# Altium PCB mb1260.PcbDoc (part 6 of 7)
Units mil, origin at the board's own origin, x right, y up, seen from the top; angles counter-clockwise.
Board outline 3189.01 x 3818.89 mil, 6 copper layers (TOP, L2_GND, L3_VCC, L4_SIG, L5_GND, BOTTOM), stack 62.2 mil thick; 308 components, 287 nets, 1220 pads, 851 vias.
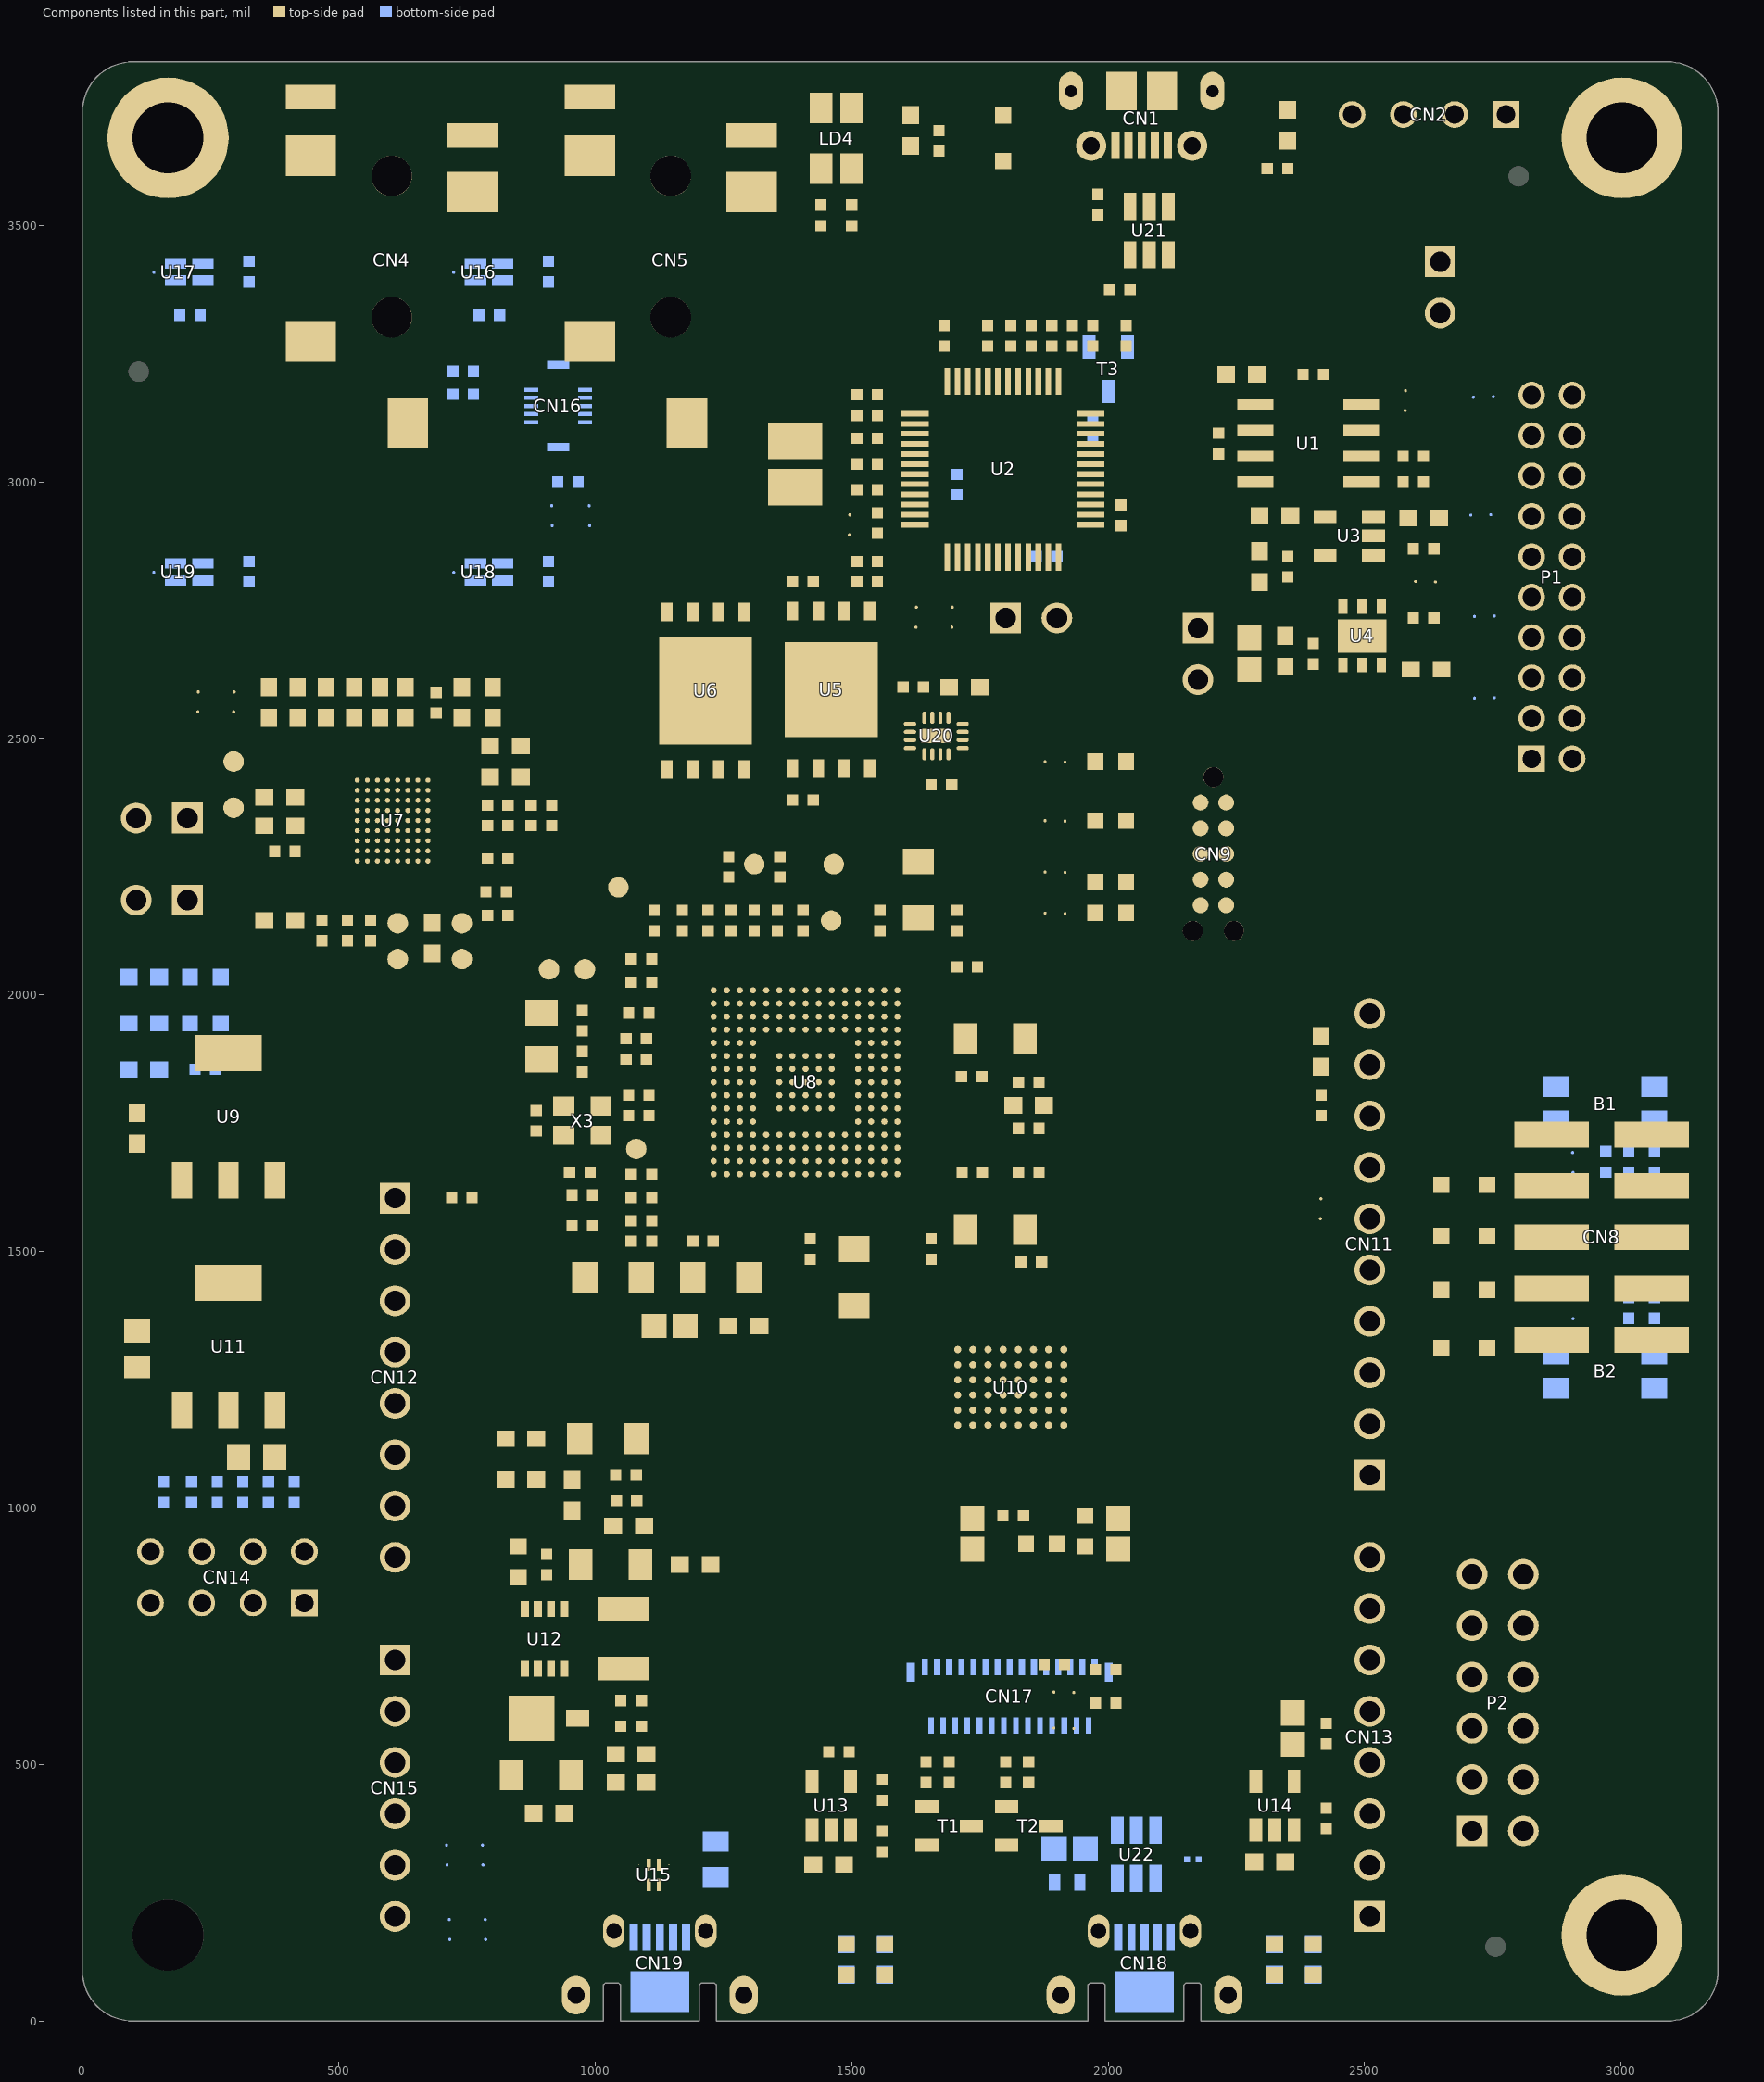
[diagram p10: the components of this part, seen from the top]

## Other copper (continued)
L2_GND (plane layer: these items are gaps in the copper):
  rectangle: -21.66,-14.67 557.59,549.61
  rectangle: 2273.23,973.39 2419.77,1532.61
  pour cut-out: -6000,-8000 -5990,-8000 -5990,-7990 -6000,-7990
  pour cut-out: -6000,-8000 -5990,-8000 -5990,-7990 -6000,-7990
  pour cut-out: -6000,-8000 -5990,-8000 -5990,-7990 -6000,-7990
  pour cut-out: -6000,-8000 -5990,-8000 -5990,-7990 -6000,-7990
  pour cut-out: -6000,-8000 -5990,-8000 -5990,-7990 -6000,-7990
  pour cut-out: -6000,-8000 -5990,-8000 -5990,-7990 -6000,-7990
  pour cut-out: -6000,-8000 -5990,-8000 -5990,-7990 -6000,-7990
  pour cut-out: -6000,-8000 -5990,-8000 -5990,-7990 -6000,-7990
  pour cut-out: -6000,-8000 -5990,-8000 -5990,-7990 -6000,-7990
  pour cut-out: -6000,-8000 -5990,-8000 -5990,-7990 -6000,-7990
  pour cut-out: -6000,-8000 -5990,-8000 -5990,-7990 -6000,-7990
  pour cut-out: -6000,-8000 -5990,-8000 -5990,-7990 -6000,-7990
  pour cut-out: -6000,-8000 -5990,-8000 -5990,-7990 -6000,-7990
  pour cut-out: -6000,-8000 -5990,-8000 -5990,-7990 -6000,-7990
  pour cut-out: -6000,-8000 -5990,-8000 -5990,-7990 -6000,-7990
  pour cut-out: -6000,-8000 -5990,-8000 -5990,-7990 -6000,-7990
  pour cut-out: -6000,-8000 -5990,-8000 -5990,-7990 -6000,-7990
  pour cut-out: -6000,-8000 -5990,-8000 -5990,-7990 -6000,-7990
  pour cut-out: -6000,-8000 -5990,-8000 -5990,-7990 -6000,-7990
  pour cut-out: -6000,-8000 -5990,-8000 -5990,-7990 -6000,-7990
  pour cut-out: -6000,-8000 -5990,-8000 -5990,-7990 -6000,-7990
  pour cut-out: -6000,-8000 -5990,-8000 -5990,-7990 -6000,-7990
  pour cut-out: -6000,-8000 -5990,-8000 -5990,-7990 -6000,-7990
  pour cut-out: -6000,-8000 -5990,-8000 -5990,-7990 -6000,-7990
  pour cut-out: -6000,-8000 -5990,-8000 -5990,-7990 -6000,-7990
  pour cut-out: -6000,-8000 -5990,-8000 -5990,-7990 -6000,-7990
  pour cut-out: -6000,-8000 -5990,-8000 -5990,-7990 -6000,-7990
  pour cut-out: -6000,-8000 -5990,-8000 -5990,-7990 -6000,-7990
  pour cut-out: -6000,-8000 -5990,-8000 -5990,-7990 -6000,-7990
  pour cut-out: -6000,-8000 -5990,-8000 -5990,-7990 -6000,-7990
  pour cut-out: -6000,-8000 -5990,-8000 -5990,-7990 -6000,-7990
  pour cut-out: -6000,-8000 -5990,-8000 -5990,-7990 -6000,-7990
  pour cut-out: -6000,-8000 -5990,-8000 -5990,-7990 -6000,-7990
  pour cut-out: -6000,-8000 -5990,-8000 -5990,-7990 -6000,-7990
  pour cut-out: -6000,-8000 -5990,-8000 -5990,-7990 -6000,-7990
  pour cut-out: -6000,-8000 -5990,-8000 -5990,-7990 -6000,-7990
  pour cut-out: -6000,-8000 -5990,-8000 -5990,-7990 -6000,-7990
  pour cut-out: -6000,-8000 -5990,-8000 -5990,-7990 -6000,-7990
  pour cut-out: -6000,-8000 -5990,-8000 -5990,-7990 -6000,-7990
  pour cut-out: -6000,-8000 -5990,-8000 -5990,-7990 -6000,-7990
  pour cut-out: -6000,-8000 -5990,-8000 -5990,-7990 -6000,-7990
  pour cut-out: -6000,-8000 -5990,-8000 -5990,-7990 -6000,-7990
  pour cut-out: -6000,-8000 -5990,-8000 -5990,-7990 -6000,-7990
  pour cut-out: -6000,-8000 -5990,-8000 -5990,-7990 -6000,-7990
  pour cut-out: -6000,-8000 -5990,-8000 -5990,-7990 -6000,-7990
  pour cut-out: -6000,-8000 -5990,-8000 -5990,-7990 -6000,-7990
  pour cut-out: -6000,-8000 -5990,-8000 -5990,-7990 -6000,-7990
  pour cut-out: -6000,-8000 -5990,-8000 -5990,-7990 -6000,-7990
  pour cut-out: -6000,-8000 -5990,-8000 -5990,-7990 -6000,-7990
  pour cut-out: -6000,-8000 -5990,-8000 -5990,-7990 -6000,-7990
  pour cut-out: -6000,-8000 -5990,-8000 -5990,-7990 -6000,-7990
  pour cut-out: -6000,-8000 -5990,-8000 -5990,-7990 -6000,-7990
  pour cut-out: -6000,-8000 -5990,-8000 -5990,-7990 -6000,-7990
  pour cut-out: -6000,-8000 -5990,-8000 -5990,-7990 -6000,-7990
  pour cut-out: -6000,-8000 -5990,-8000 -5990,-7990 -6000,-7990
  pour cut-out: -6000,-8000 -5990,-8000 -5990,-7990 -6000,-7990
  pour cut-out: -6000,-8000 -5990,-8000 -5990,-7990 -6000,-7990
  pour cut-out: -6000,-8000 -5990,-8000 -5990,-7990 -6000,-7990
  pour cut-out: -6000,-8000 -5990,-8000 -5990,-7990 -6000,-7990
  pour cut-out: -6000,-8000 -5990,-8000 -5990,-7990 -6000,-7990
  pour cut-out: -6000,-8000 -5990,-8000 -5990,-7990 -6000,-7990
  pour cut-out: -6000,-8000 -5990,-8000 -5990,-7990 -6000,-7990
  pour cut-out: -6000,-8000 -5990,-8000 -5990,-7990 -6000,-7990
  pour cut-out: -6000,-8000 -5990,-8000 -5990,-7990 -6000,-7990
  pour cut-out: -6000,-8000 -5990,-8000 -5990,-7990 -6000,-7990
  pour cut-out: -6000,-8000 -5990,-8000 -5990,-7990 -6000,-7990
  pour cut-out: -6000,-8000 -5990,-8000 -5990,-7990 -6000,-7990
  pour cut-out: -6000,-8000 -5990,-8000 -5990,-7990 -6000,-7990
  pour cut-out: -6000,-8000 -5990,-8000 -5990,-7990 -6000,-7990
  pour cut-out: -6000,-8000 -5990,-8000 -5990,-7990 -6000,-7990
  pour cut-out: 2240.77,2425 2239.55,2434.26 2235.98,2442.88 2230.29,2450.29 2222.88,2455.98 2214.26,2459.55 2205,2460.77 2195.74,2459.55 2187.12,2455.98 2179.71,2450.29 2174.02,2442.88 2170.45,2434.26 2169.23,2425 2170.45,2415.74 2174.02,2407.12 2179.71,2399.71 2187.12,2394.02 2195.74,2390.45 2205,2389.23 2214.26,2390.45 2222.88,2394.02 2230.29,2399.71 2235.98,2407.12 2239.55,2415.74 2240.77,2425
  pour cut-out: 2280.73,2125 2279.51,2134.26 2275.94,2142.88 2270.25,2150.29 2262.84,2155.97 2254.22,2159.55 2244.96,2160.77 2235.7,2159.55 2227.08,2155.97 2219.67,2150.29 2213.99,2142.88 2210.41,2134.26 2209.19,2125 2210.41,2115.74 2213.99,2107.12 2219.67,2099.71 2227.08,2094.03 2235.7,2090.45 2244.96,2089.23 2254.22,2090.45 2262.84,2094.03 2270.25,2099.71 2275.94,2107.12 2279.51,2115.74 2280.73,2125
  pour cut-out: 2200.81,2125 2199.59,2134.26 2196.01,2142.88 2190.33,2150.29 2182.92,2155.98 2174.3,2159.55 2165.04,2160.77 2155.78,2159.55 2147.16,2155.98 2139.75,2150.29 2134.06,2142.88 2130.49,2134.26 2129.27,2125 2130.49,2115.74 2134.06,2107.12 2139.75,2099.71 2147.16,2094.02 2155.78,2090.45 2165.04,2089.23 2174.3,2090.45 2182.92,2094.02 2190.33,2099.71 2196.01,2107.12 2199.59,2115.74 2200.81,2125
  pour cut-out: 1201.99,3596.61 1200.12,3610.8 1194.64,3624.02 1185.93,3635.38 1174.57,3644.09 1161.35,3649.57 1147.16,3651.44 1132.97,3649.57 1119.75,3644.09 1108.39,3635.38 1099.68,3624.02 1094.2,3610.8 1092.33,3596.61 1094.2,3582.42 1099.68,3569.2 1108.39,3557.84 1119.75,3549.13 1132.97,3543.65 1147.16,3541.78 1161.35,3543.65 1174.57,3549.13 1185.93,3557.84 1194.64,3569.2 1200.12,3582.42 1201.99,3596.61
  pour cut-out: 657.98,3596.61 656.11,3610.8 650.64,3624.03 641.92,3635.38 630.57,3644.1 617.34,3649.57 603.15,3651.44 588.96,3649.57 575.73,3644.1 564.38,3635.38 555.66,3624.03 550.19,3610.8 548.32,3596.61 550.19,3582.42 555.66,3569.19 564.38,3557.84 575.73,3549.12 588.96,3543.65 603.15,3541.78 617.34,3543.65 630.57,3549.12 641.92,3557.84 650.64,3569.19 656.11,3582.42 657.98,3596.61
  pour cut-out: 657.98,3321.02 656.11,3335.21 650.64,3348.43 641.92,3359.79 630.57,3368.5 617.34,3373.98 603.15,3375.85 588.96,3373.98 575.73,3368.5 564.38,3359.79 555.66,3348.43 550.19,3335.21 548.32,3321.02 550.19,3306.83 555.66,3293.6 564.38,3282.25 575.73,3273.53 588.96,3268.06 603.15,3266.19 617.34,3268.06 630.57,3273.53 641.92,3282.25 650.64,3293.6 656.11,3306.83 657.98,3321.02
  pour cut-out: -6000,-8000 -5990,-8000 -5990,-7990 -6000,-7990
  pour cut-out: -6000,-8000 -5990,-8000 -5990,-7990 -6000,-7990
  pour cut-out: -6000,-8000 -5990,-8000 -5990,-7990 -6000,-7990
  pour cut-out: -6000,-8000 -5990,-8000 -5990,-7990 -6000,-7990
  pour cut-out: -6000,-8000 -5990,-8000 -5990,-7990 -6000,-7990
  pour cut-out: -6000,-8000 -5990,-8000 -5990,-7990 -6000,-7990
  pour cut-out: -6000,-8000 -5990,-8000 -5990,-7990 -6000,-7990
  pour cut-out: -6000,-8000 -5990,-8000 -5990,-7990 -6000,-7990
  pour cut-out: -6000,-8000 -5990,-8000 -5990,-7990 -6000,-7990
  pour cut-out: -6000,-8000 -5990,-8000 -5990,-7990 -6000,-7990
  pour cut-out: -6000,-8000 -5990,-8000 -5990,-7990 -6000,-7990
  pour cut-out: -6000,-8000 -5990,-8000 -5990,-7990 -6000,-7990
  pour cut-out: -6000,-8000 -5990,-8000 -5990,-7990 -6000,-7990
  pour cut-out: -6000,-8000 -5990,-8000 -5990,-7990 -6000,-7990
  pour cut-out: 1201.99,3321.02 1200.12,3335.21 1194.64,3348.43 1185.93,3359.79 1174.57,3368.5 1161.35,3373.98 1147.16,3375.85 1132.97,3373.98 1119.75,3368.5 1108.39,3359.79 1099.68,3348.43 1094.2,3335.21 1092.33,3321.02 1094.2,3306.83 1099.68,3293.6 1108.39,3282.25 1119.75,3273.54 1132.97,3268.06 1147.16,3266.19 1161.35,3268.06 1174.57,3273.54 1185.93,3282.25 1194.64,3293.6 1200.12,3306.83 1201.99,3321.02
  pour cut-out: -6000,-8000 -5990,-8000 -5990,-7990 -6000,-7990
  pour cut-out: -6000,-8000 -5990,-8000 -5990,-7990 -6000,-7990
  pour cut-out: -6000,-8000 -5990,-8000 -5990,-7990 -6000,-7990
  pour cut-out: -6000,-8000 -5990,-8000 -5990,-7990 -6000,-7990
  pour cut-out: -6000,-8000 -5990,-8000 -5990,-7990 -6000,-7990
  pour cut-out: -6000,-8000 -5990,-8000 -5990,-7990 -6000,-7990
  pour cut-out: -6000,-8000 -5990,-8000 -5990,-7990 -6000,-7990
  pour cut-out: -6000,-8000 -5990,-8000 -5990,-7990 -6000,-7990
  pour cut-out: -6000,-8000 -5990,-8000 -5990,-7990 -6000,-7990
  pour cut-out: -6000,-8000 -5990,-8000 -5990,-7990 -6000,-7990
  pour cut-out: -6000,-8000 -5990,-8000 -5990,-7990 -6000,-7990
  pour cut-out: -6000,-8000 -5990,-8000 -5990,-7990 -6000,-7990
  pour cut-out: -6000,-8000 -5990,-8000 -5990,-7990 -6000,-7990
  pour cut-out: -6000,-8000 -5990,-8000 -5990,-7990 -6000,-7990
  pour cut-out: -6000,-8000 -5990,-8000 -5990,-7990 -6000,-7990
  pour cut-out: -6000,-8000 -5990,-8000 -5990,-7990 -6000,-7990
  pour cut-out: -6000,-8000 -5990,-8000 -5990,-7990 -6000,-7990
  pour cut-out: -6000,-8000 -5990,-8000 -5990,-7990 -6000,-7990
  pour cut-out: -6000,-8000 -5990,-8000 -5990,-7990 -6000,-7990
  pour cut-out: -6000,-8000 -5990,-8000 -5990,-7990 -6000,-7990
  pour cut-out: -6000,-8000 -5990,-8000 -5990,-7990 -6000,-7990
  pour cut-out: -6000,-8000 -5990,-8000 -5990,-7990 -6000,-7990
  pour cut-out: -6000,-8000 -5990,-8000 -5990,-7990 -6000,-7990
  pour cut-out: -6000,-8000 -5990,-8000 -5990,-7990 -6000,-7990
  pour cut-out: -6000,-8000 -5990,-8000 -5990,-7990 -6000,-7990
  pour cut-out: -6000,-8000 -5990,-8000 -5990,-7990 -6000,-7990
  pour cut-out: -6000,-8000 -5990,-8000 -5990,-7990 -6000,-7990
  pour cut-out: -6000,-8000 -5990,-8000 -5990,-7990 -6000,-7990
  pour cut-out: -6000,-8000 -5990,-8000 -5990,-7990 -6000,-7990
  pour cut-out: -6000,-8000 -5990,-8000 -5990,-7990 -6000,-7990
  pour cut-out: -6000,-8000 -5990,-8000 -5990,-7990 -6000,-7990
  pour cut-out: -6000,-8000 -5990,-8000 -5990,-7990 -6000,-7990
  pour cut-out: -6000,-8000 -5990,-8000 -5990,-7990 -6000,-7990
  pour cut-out: -6000,-8000 -5990,-8000 -5990,-7990 -6000,-7990
  pour cut-out: -6000,-8000 -5990,-8000 -5990,-7990 -6000,-7990
  pour cut-out: -6000,-8000 -5990,-8000 -5990,-7990 -6000,-7990
  pour cut-out: -6000,-8000 -5990,-8000 -5990,-7990 -6000,-7990
  pour cut-out: -6000,-8000 -5990,-8000 -5990,-7990 -6000,-7990
  pour cut-out: -6000,-8000 -5990,-8000 -5990,-7990 -6000,-7990
  pour cut-out: -6000,-8000 -5990,-8000 -5990,-7990 -6000,-7990
  pour cut-out: -6000,-8000 -5990,-8000 -5990,-7990 -6000,-7990
  pour cut-out: -6000,-8000 -5990,-8000 -5990,-7990 -6000,-7990
  region: 833,1806 808,1831 808,2007 831,2030 947,2030 962,2015 990,2015 1020,1985 1020,1965 1030,1955 1116,1955 1116.5,1954.5 1121.5,1954.5 1133,1943 1163,1943 1164,1942 1164,1938 1163,1937 1130,1937 1122,1945 1020,1945 1004,1961 1004,1984 989,1999 953,1999 937,2015 840,2015 825,2000 825,1840 840,1825 1020,1825 1030,1835 1116,1835 1143,1862 1159,1862 1160,1861 1160,1855 1158,1853 1147,1853 1111,1817 1039,1817 1028,1806
  lines w10: 784.59,429.14 784.59,925.86 ; 784.59,429.14 784.59,429.14 ; 784.59,429.14 785.71,426.44 786.17,425.32 ; 784.59,925.86 786.17,929.68 859.59,1003.1 859.59,1155.86 ; 784.59,925.86 784.59,925.86 ; 786.17,425.32 786.17,425.32 ; 786.17,425.32 855.32,356.17 859.14,354.59 ; 859.14,354.59 859.14,354.59 ; 859.14,354.59 1030.86,354.59 1034.68,356.17 1063.83,385.32 1065.41,389.14 ; 859.59,1155.86 861.17,1159.68 875.32,1173.83 879.14,1175.41 1115.86,1175.41 ; 859.59,1155.86 859.59,1155.86 ; 1065.41,389.14 1065.41,389.14 ; 1065.41,389.14 1065.41,586.9 1083.1,604.59 1165.86,604.59 ; 1115.86,1175.41 1119.68,1173.83 1188.83,1104.68 ; 1115.86,1175.41 1115.86,1175.41 ; 1165.86,604.59 1165.86,604.59 ; 1165.86,604.59 1168.56,605.71 1169.68,606.17 ; 1169.68,606.17 1169.69,606.17 ; 1169.69,606.17 1188.83,625.32 1190.41,629.14 ; 1188.83,1104.68 1189.29,1103.56 1190.41,1100.86 ; 1188.83,1104.68 1188.83,1104.68 ; 1190.41,629.14 1190.41,629.14 ; 1190.41,629.14 1190.41,1100.86 ; 1190.41,1100.86 1190.41,1100.86 ; 14.63,555.02 14.63,3720.07 14.68,3720.19 14.63,3720.31 14.93,3727.17 15.04,3727.4 14.97,3727.64 15.87,3734.46 16,3734.67 15.95,3734.92 17.44,3741.63 17.58,3741.84 17.56,3742.09 19.63,3748.64 19.79,3748.84 19.79,3749.09 22.42,3755.44 22.6,3755.61 22.62,3755.86 25.79,3761.96 25.99,3762.12 26.03,3762.37 29.72,3768.17 29.93,3768.31 29.99,3768.55 34.18,3774 34.39,3774.13 34.48,3774.37 39.12,3779.43 39.35,3779.54 39.46,3779.77 44.52,3784.41 44.76,3784.5 44.89,3784.71 50.34,3788.9 50.58,3788.96 50.73,3789.17 56.52,3792.86 56.77,3792.9 56.93,3793.1 63.03,3796.27 63.28,3796.29 63.45,3796.47 69.8,3799.1 70.06,3799.1 70.25,3799.26 76.8,3801.33 77.05,3801.31 77.26,3801.45 83.97,3802.94 84.22,3802.89 84.43,3803.02 91.25,3803.92 91.49,3803.85 91.72,3803.96 98.58,3804.26 98.7,3804.21 98.82,3804.26 3090.19,3804.26 3090.31,3804.21 3090.43,3804.26 3097.29,3803.96 3097.52,3803.85 3097.76,3803.92 3104.58,3803.02 3104.79,3802.89 3105.04,3802.94 3111.75,3801.45 3111.96,3801.31 3112.21,3801.33 3118.76,3799.26 3118.95,3799.1 3119.2,3799.1 3125.55,3796.47 3125.73,3796.29 3125.98,3796.27 3132.08,3793.1 3132.24,3792.9 3132.49,3792.86 3138.28,3789.17 3138.43,3788.96 3138.67,3788.9 3144.12,3784.71 3144.25,3784.5 3144.48,3784.41 3149.55,3779.77 3149.66,3779.54 3149.89,3779.43 3154.53,3774.37 3154.61,3774.13 3154.83,3774 3159.02,3768.55 3159.08,3768.31 3159.29,3768.16 3162.98,3762.37 3163.02,3762.12 3163.22,3761.96 3166.39,3755.86 3166.41,3755.61 3166.59,3755.43 3169.22,3749.09 3169.22,3748.83 3169.38,3748.64 3171.45,3742.09 3171.42,3741.84 3171.57,3741.63 3173.06,3734.92 3173.01,3734.67 3173.14,3734.46 3174.03,3727.64 3173.97,3727.4 3174.08,3727.17 3174.38,3720.31 3174.33,3720.19 3174.38,3720.07 3174.38,98.82 3174.33,98.7 3174.38,98.58 3174.08,91.72 3173.97,91.49 3174.03,91.25 3173.14,84.43 3173.01,84.22 3173.06,83.97 3171.57,77.26 3171.42,77.05 3171.45,76.8 3169.38,70.25 3169.22,70.05 3169.22,69.8 3166.59,63.45 3166.41,63.28 3166.39,63.03 3163.22,56.93 3163.02,56.77 3162.98,56.52 3159.29,50.72 3159.08,50.58 3159.02,50.34 3154.83,44.89 3154.61,44.76 3154.53,44.52 3149.89,39.46 3149.66,39.35 3149.55,39.12 3144.48,34.48 3144.25,34.39 3144.12,34.18 3138.67,29.99 3138.43,29.93 3138.28,29.72 3132.49,26.03 3132.24,25.99 3132.08,25.79 3125.98,22.62 3125.73,22.6 3125.55,22.42 3119.2,19.79 3118.95,19.79 3118.76,19.63 3112.21,17.56 3111.96,17.58 3111.75,17.44 3105.04,15.95 3104.79,16 3104.58,15.87 3097.76,14.97 3097.52,15.04 3097.29,14.93 3090.43,14.63 3090.31,14.68 3090.19,14.63 2201.15,14.63 2197.32,16.21 2195.74,20.04 2195.74,76.34 2183.23,88.85 2145.52,88.85 2133.01,76.34 2133.01,20.04 2131.42,16.21 2127.6,14.63 2014.14,14.63 2010.32,16.21 2008.73,20.04 2008.73,76.34 1996.22,88.85 1958.51,88.85 1946,76.34 1946,20.04 1944.42,16.21 1940.59,14.63 1256.26,14.63 1252.43,16.21 1250.85,20.04 1250.85,76.34 1238.34,88.85 1200.63,88.85 1188.12,76.34 1188.12,20.04 1186.54,16.21 1182.71,14.63 1069.25,14.63 1065.43,16.21 1063.84,20.04 1063.84,76.34 1051.33,88.85 1013.62,88.85 1001.11,76.34 1001.11,20.04 999.53,16.21 995.7,14.63 563,14.63 559.17,16.21 557.59,20.04 557.59,549.61 20.04,549.61 16.21,551.19 14.63,555.02
  lines w20: 780,425 780,930 855,1005 855,1160 875,1180 1120,1180 1195,1105 1195,625 1170,600 1085,600 1070,585 1070,385 1035,350 855,350 780,425
L3_VCC (plane layer: these items are gaps in the copper):
  drawing of 1374 lines, arcs and shapes, not listed
L5_GND (plane layer: these items are gaps in the copper):
  rectangle: 2273.23,973.39 2419.77,1532.61
  rectangle: -22.66,-22.67 552.49,544.51
  pour cut-out: -6000,-8000 -5990,-8000 -5990,-7990 -6000,-7990
  pour cut-out: -6000,-8000 -5990,-8000 -5990,-7990 -6000,-7990
  pour cut-out: -6000,-8000 -5990,-8000 -5990,-7990 -6000,-7990
  pour cut-out: -6000,-8000 -5990,-8000 -5990,-7990 -6000,-7990
  pour cut-out: -6000,-8000 -5990,-8000 -5990,-7990 -6000,-7990
  pour cut-out: -6000,-8000 -5990,-8000 -5990,-7990 -6000,-7990
  pour cut-out: -6000,-8000 -5990,-8000 -5990,-7990 -6000,-7990
  pour cut-out: -6000,-8000 -5990,-8000 -5990,-7990 -6000,-7990
  pour cut-out: -6000,-8000 -5990,-8000 -5990,-7990 -6000,-7990
  pour cut-out: -6000,-8000 -5990,-8000 -5990,-7990 -6000,-7990
  pour cut-out: -6000,-8000 -5990,-8000 -5990,-7990 -6000,-7990
  pour cut-out: -6000,-8000 -5990,-8000 -5990,-7990 -6000,-7990
  pour cut-out: -6000,-8000 -5990,-8000 -5990,-7990 -6000,-7990
  pour cut-out: -6000,-8000 -5990,-8000 -5990,-7990 -6000,-7990
  pour cut-out: 2240.77,2425 2239.55,2434.26 2235.98,2442.88 2230.29,2450.29 2222.88,2455.98 2214.26,2459.55 2205,2460.77 2195.74,2459.55 2187.12,2455.98 2179.71,2450.29 2174.02,2442.88 2170.45,2434.26 2169.23,2425 2170.45,2415.74 2174.02,2407.12 2179.71,2399.71 2187.12,2394.02 2195.74,2390.45 2205,2389.23 2214.26,2390.45 2222.88,2394.02 2230.29,2399.71 2235.98,2407.12 2239.55,2415.74 2240.77,2425
  pour cut-out: 2280.73,2125 2279.51,2134.26 2275.94,2142.88 2270.25,2150.29 2262.84,2155.97 2254.22,2159.55 2244.96,2160.77 2235.7,2159.55 2227.08,2155.97 2219.67,2150.29 2213.99,2142.88 2210.41,2134.26 2209.19,2125 2210.41,2115.74 2213.99,2107.12 2219.67,2099.71 2227.08,2094.03 2235.7,2090.45 2244.96,2089.23 2254.22,2090.45 2262.84,2094.03 2270.25,2099.71 2275.94,2107.12 2279.51,2115.74 2280.73,2125
  pour cut-out: 2200.81,2125 2199.59,2134.26 2196.01,2142.88 2190.33,2150.29 2182.92,2155.98 2174.3,2159.55 2165.04,2160.77 2155.78,2159.55 2147.16,2155.98 2139.75,2150.29 2134.06,2142.88 2130.49,2134.26 2129.27,2125 2130.49,2115.74 2134.06,2107.12 2139.75,2099.71 2147.16,2094.02 2155.78,2090.45 2165.04,2089.23 2174.3,2090.45 2182.92,2094.02 2190.33,2099.71 2196.01,2107.12 2199.59,2115.74 2200.81,2125
  pour cut-out: 1201.99,3596.61 1200.12,3610.8 1194.64,3624.02 1185.93,3635.38 1174.57,3644.09 1161.35,3649.57 1147.16,3651.44 1132.97,3649.57 1119.75,3644.09 1108.39,3635.38 1099.68,3624.02 1094.2,3610.8 1092.33,3596.61 1094.2,3582.42 1099.68,3569.2 1108.39,3557.84 1119.75,3549.13 1132.97,3543.65 1147.16,3541.78 1161.35,3543.65 1174.57,3549.13 1185.93,3557.84 1194.64,3569.2 1200.12,3582.42 1201.99,3596.61
  pour cut-out: 657.98,3596.61 656.11,3610.8 650.64,3624.03 641.92,3635.38 630.57,3644.1 617.34,3649.57 603.15,3651.44 588.96,3649.57 575.73,3644.1 564.38,3635.38 555.66,3624.03 550.19,3610.8 548.32,3596.61 550.19,3582.42 555.66,3569.19 564.38,3557.84 575.73,3549.12 588.96,3543.65 603.15,3541.78 617.34,3543.65 630.57,3549.12 641.92,3557.84 650.64,3569.19 656.11,3582.42 657.98,3596.61
  pour cut-out: 657.98,3321.02 656.11,3335.21 650.64,3348.43 641.92,3359.79 630.57,3368.5 617.34,3373.98 603.15,3375.85 588.96,3373.98 575.73,3368.5 564.38,3359.79 555.66,3348.43 550.19,3335.21 548.32,3321.02 550.19,3306.83 555.66,3293.6 564.38,3282.25 575.73,3273.53 588.96,3268.06 603.15,3266.19 617.34,3268.06 630.57,3273.53 641.92,3282.25 650.64,3293.6 656.11,3306.83 657.98,3321.02
  pour cut-out: 1201.99,3321.02 1200.12,3335.21 1194.64,3348.43 1185.93,3359.79 1174.57,3368.5 1161.35,3373.98 1147.16,3375.85 1132.97,3373.98 1119.75,3368.5 1108.39,3359.79 1099.68,3348.43 1094.2,3335.21 1092.33,3321.02 1094.2,3306.83 1099.68,3293.6 1108.39,3282.25 1119.75,3273.54 1132.97,3268.06 1147.16,3266.19 1161.35,3268.06 1174.57,3273.54 1185.93,3282.25 1194.64,3293.6 1200.12,3306.83 1201.99,3321.02
  lines w10: 14.63,555.02 14.63,3720.07 14.68,3720.19 14.63,3720.31 14.93,3727.17 15.04,3727.4 14.97,3727.64 15.87,3734.46 16,3734.67 15.95,3734.92 17.44,3741.63 17.58,3741.84 17.56,3742.09 19.63,3748.64 19.79,3748.84 19.79,3749.09 22.42,3755.44 22.6,3755.61 22.62,3755.86 25.79,3761.96 25.99,3762.12 26.03,3762.37 29.72,3768.17 29.93,3768.31 29.99,3768.55 34.18,3774 34.39,3774.13 34.48,3774.37 39.12,3779.43 39.35,3779.54 39.46,3779.77 44.52,3784.41 44.76,3784.5 44.89,3784.71 50.34,3788.9 50.58,3788.96 50.73,3789.17 56.52,3792.86 56.77,3792.9 56.93,3793.1 63.03,3796.27 63.28,3796.29 63.45,3796.47 69.8,3799.1 70.06,3799.1 70.25,3799.26 76.8,3801.33 77.05,3801.31 77.26,3801.45 83.97,3802.94 84.22,3802.89 84.43,3803.02 91.25,3803.92 91.49,3803.85 91.72,3803.96 98.58,3804.26 98.7,3804.21 98.82,3804.26 3090.19,3804.26 3090.31,3804.21 3090.43,3804.26 3097.29,3803.96 3097.52,3803.85 3097.76,3803.92 3104.58,3803.02 3104.79,3802.89 3105.04,3802.94 3111.75,3801.45 3111.96,3801.31 3112.21,3801.33 3118.76,3799.26 3118.95,3799.1 3119.2,3799.1 3125.55,3796.47 3125.73,3796.29 3125.98,3796.27 3132.08,3793.1 3132.24,3792.9 3132.49,3792.86 3138.28,3789.17 3138.43,3788.96 3138.67,3788.9 3144.12,3784.71 3144.25,3784.5 3144.48,3784.41 3149.55,3779.77 3149.66,3779.54 3149.89,3779.43 3154.53,3774.37 3154.61,3774.13 3154.83,3774 3159.02,3768.55 3159.08,3768.31 3159.29,3768.16 3162.98,3762.37 3163.02,3762.12 3163.22,3761.96 3166.39,3755.86 3166.41,3755.61 3166.59,3755.43 3169.22,3749.09 3169.22,3748.83 3169.38,3748.64 3171.45,3742.09 3171.42,3741.84 3171.57,3741.63 3173.06,3734.92 3173.01,3734.67 3173.14,3734.46 3174.03,3727.64 3173.97,3727.4 3174.08,3727.17 3174.38,3720.31 3174.33,3720.19 3174.38,3720.07 3174.38,98.82 3174.33,98.7 3174.38,98.58 3174.08,91.72 3173.97,91.49 3174.03,91.25 3173.14,84.43 3173.01,84.22 3173.06,83.97 3171.57,77.26 3171.42,77.05 3171.45,76.8 3169.38,70.25 3169.22,70.05 3169.22,69.8 3166.59,63.45 3166.41,63.28 3166.39,63.03 3163.22,56.93 3163.02,56.77 3162.98,56.52 3159.29,50.72 3159.08,50.58 3159.02,50.34 3154.83,44.89 3154.61,44.76 3154.53,44.52 3149.89,39.46 3149.66,39.35 3149.55,39.12 3144.48,34.48 3144.25,34.39 3144.12,34.18 3138.67,29.99 3138.43,29.93 3138.28,29.72 3132.49,26.03 3132.24,25.99 3132.08,25.79 3125.98,22.62 3125.73,22.6 3125.55,22.42 3119.2,19.79 3118.95,19.79 3118.76,19.63 3112.21,17.56 3111.96,17.58 3111.75,17.44 3105.04,15.95 3104.79,16 3104.58,15.87 3097.76,14.97 3097.52,15.04 3097.29,14.93 3090.43,14.63 3090.31,14.68 3090.19,14.63 2201.15,14.63 2197.32,16.21 2195.74,20.04 2195.74,76.34 2183.23,88.85 2145.52,88.85 2133.01,76.34 2133.01,20.04 2131.42,16.21 2127.6,14.63 2014.14,14.63 2010.32,16.21 2008.73,20.04 2008.73,76.34 1996.22,88.85 1958.51,88.85 1946,76.34 1946,20.04 1944.42,16.21 1940.59,14.63 1256.26,14.63 1252.43,16.21 1250.85,20.04 1250.85,76.34 1238.34,88.85 1200.63,88.85 1188.12,76.34 1188.12,20.04 1186.54,16.21 1182.71,14.63 1069.25,14.63 1065.43,16.21 1063.84,20.04 1063.84,76.34 1051.33,88.85 1013.62,88.85 1001.11,76.34 1001.11,20.04 999.53,16.21 995.7,14.63 563,14.63 559.17,16.21 557.59,20.04 557.59,549.61 20.04,549.61 16.21,551.19 14.63,555.02

## Text inside footprints (layer, text, board x,y; h text height)
L7: LIB_UNEVALUATED "1" at 1093.6,520 h16 r180; LIB_UNEVALUATED "2" at 1033.6,520 h16 r180; LIB_UNEVALUATED "Approved" at 943,531.67 h35 r180; LIB_UNEVALUATED "L0603" at 1015,590 h30 r180; LIB_UNEVALUATED "Sofer Lib Information" at 1241,258 h25 r180; LIB_UNEVALUATED "Ref PN: ***" at 1211,308 h25 r180; LIB_UNEVALUATED "Creat : Sofer Tech" at 1211,348 h25 r180; LIB_UNEVALUATED "Date  : 2007-11-27" at 1211,388 h25 r180; LIB_UNEVALUATED "Rev   : B1" at 1211,428 h25 r180; LIB_UNEVALUATED "Remark: ***" at 1211,468 h25 r180
L8: LIB_UNEVALUATED "1" at 1046.4,465 h16; LIB_UNEVALUATED "2" at 1106.4,465 h16; LIB_UNEVALUATED "Approved" at 1197,453.33 h35; LIB_UNEVALUATED "L0603" at 1125,395 h30; LIB_UNEVALUATED "Sofer Lib Information" at 899,727 h25; LIB_UNEVALUATED "Ref PN: ***" at 929,677 h25; LIB_UNEVALUATED "Creat : Sofer Tech" at 929,637 h25; LIB_UNEVALUATED "Date  : 2007-11-27" at 929,597 h25; LIB_UNEVALUATED "Rev   : B1" at 929,557 h25; LIB_UNEVALUATED "Remark: ***" at 929,517 h25
LD1: LIB_UNEVALUATED "1" at 150,1861.4 h16; LIB_UNEVALUATED "2" at 90,1861.4 h16; LIB_UNEVALUATED "d0603" at 120,1850 h30; LIB_UNEVALUATED "Approved" at 120,1967 h35; LIB_UNEVALUATED "Sofer Lib Information" at 246,2132 h25; LIB_UNEVALUATED "Ref PN: ***" at 216,2082 h25; LIB_UNEVALUATED "Creat : Sofer Tech" at 216,2042 h25; LIB_UNEVALUATED "Date  : 2007-05-10" at 216,2002 h25; LIB_UNEVALUATED "Rev   : B1" at 216,1962 h25; ASSEMBLY_TOP "LED red" at 120,1901 h20
LD2: LIB_UNEVALUATED "1" at 1608.6,3655 h16 r90; LIB_UNEVALUATED "2" at 1608.6,3715 h16 r90; LIB_UNEVALUATED "d0603" at 1620,3685 h30 r90; LIB_UNEVALUATED "Approved" at 1503,3685 h35 r90; LIB_UNEVALUATED "Sofer Lib Information" at 1338,3559 h25 r90; LIB_UNEVALUATED "Ref PN: ***" at 1388,3589 h25 r90; LIB_UNEVALUATED "Creat : Sofer Tech" at 1428,3589 h25 r90; LIB_UNEVALUATED "Date  : 2007-05-10" at 1468,3589 h25 r90; LIB_UNEVALUATED "Rev   : B1" at 1508,3589 h25 r90
LD3: LIB_UNEVALUATED "1" at 2343.6,3665.59 h16 r90; LIB_UNEVALUATED "2" at 2343.6,3725.59 h16 r90; LIB_UNEVALUATED "d0603" at 2355,3695.59 h30 r90; LIB_UNEVALUATED "Approved" at 2238,3695.59 h35 r90; LIB_UNEVALUATED "Sofer Lib Information" at 2073,3569.59 h25 r90; LIB_UNEVALUATED "Ref PN: ***" at 2123,3599.59 h25 r90; LIB_UNEVALUATED "Creat : Sofer Tech" at 2163,3599.59 h25 r90; LIB_UNEVALUATED "Date  : 2007-05-10" at 2203,3599.59 h25 r90; LIB_UNEVALUATED "Rev   : B1" at 2243,3599.59 h25 r90
LD4: LIB_UNEVALUATED "OK" at 1442,3670 h35 r180; LIB_UNEVALUATED "Remark: D031-006A1" at 1611,3528 h25 r180; LIB_UNEVALUATED "Rev   : A1" at 1611,3488 h25 r180; LIB_UNEVALUATED "Date  : 2012-08-03" at 1611,3448 h25 r180; LIB_UNEVALUATED "Creat : Yuki" at 1611,3408 h25 r180; LIB_UNEVALUATED "Ref PN: 3528" at 1611,3368 h25 r180; LIB_UNEVALUATED "Sofer Lib Information" at 1641,3318 h25 r180; LIB_UNEVALUATED "LED2_3528" at 1362,3835 h30 r180; LIB_UNEVALUATED "1" at 1488.46,3733.7 h16 r180; LIB_UNEVALUATED "4" at 1429.41,3733.7 h16 r180; LIB_UNEVALUATED "2" at 1488.46,3617.28 h16 r180; LIB_UNEVALUATED "3" at 1429.41,3617.28 h16 r180
LD5: LIB_UNEVALUATED "1" at 150,2041.4 h16; LIB_UNEVALUATED "2" at 90,2041.4 h16; LIB_UNEVALUATED "d0603" at 120,2030 h30; LIB_UNEVALUATED "Approved" at 120,2147 h35; LIB_UNEVALUATED "Sofer Lib Information" at 246,2312 h25; LIB_UNEVALUATED "Ref PN: ***" at 216,2262 h25; LIB_UNEVALUATED "Creat : Sofer Tech" at 216,2222 h25; LIB_UNEVALUATED "Date  : 2007-05-10" at 216,2182 h25; LIB_UNEVALUATED "Rev   : B1" at 216,2142 h25
LD6: LIB_UNEVALUATED "1" at 150,1951.4 h16; LIB_UNEVALUATED "2" at 90,1951.4 h16; LIB_UNEVALUATED "d0603" at 120,1940 h30; LIB_UNEVALUATED "Approved" at 120,2057 h35; LIB_UNEVALUATED "Sofer Lib Information" at 246,2222 h25; LIB_UNEVALUATED "Ref PN: ***" at 216,2172 h25; LIB_UNEVALUATED "Creat : Sofer Tech" at 216,2132 h25; LIB_UNEVALUATED "Date  : 2007-05-10" at 216,2092 h25; LIB_UNEVALUATED "Rev   : B1" at 216,2052 h25; ASSEMBLY_TOP "LED red" at 120,1991 h20
LD7: LIB_UNEVALUATED "1" at 1496.4,90 h16 r270; LIB_UNEVALUATED "2" at 1496.4,150 h16 r270; LIB_UNEVALUATED "d0603" at 1485,120 h30 r270; LIB_UNEVALUATED "Approved" at 1602,120 h35 r270; LIB_UNEVALUATED "Sofer Lib Information" at 1767,-6 h25 r270; LIB_UNEVALUATED "Ref PN: ***" at 1717,24 h25 r270; LIB_UNEVALUATED "Creat : Sofer Tech" at 1677,24 h25 r270; LIB_UNEVALUATED "Date  : 2007-05-10" at 1637,24 h25 r270; LIB_UNEVALUATED "Rev   : B1" at 1597,24 h25 r270
LD8: LIB_UNEVALUATED "1" at 1571.4,90 h16 r270; LIB_UNEVALUATED "2" at 1571.4,150 h16 r270; LIB_UNEVALUATED "d0603" at 1560,120 h30 r270; LIB_UNEVALUATED "Approved" at 1677,120 h35 r270; LIB_UNEVALUATED "Sofer Lib Information" at 1842,-6 h25 r270; LIB_UNEVALUATED "Ref PN: ***" at 1792,24 h25 r270; LIB_UNEVALUATED "Creat : Sofer Tech" at 1752,24 h25 r270; LIB_UNEVALUATED "Date  : 2007-05-10" at 1712,24 h25 r270; LIB_UNEVALUATED "Rev   : B1" at 1672,24 h25 r270; ASSEMBLY_TOP "LED red" at 1611,120 h20 r270
LD9: LIB_UNEVALUATED "1" at 2331.4,90 h16 r270; LIB_UNEVALUATED "2" at 2331.4,150 h16 r270; LIB_UNEVALUATED "d0603" at 2320,120 h30 r270; LIB_UNEVALUATED "Approved" at 2437,120 h35 r270; LIB_UNEVALUATED "Sofer Lib Information" at 2602,-6 h25 r270; LIB_UNEVALUATED "Ref PN: ***" at 2552,24 h25 r270; LIB_UNEVALUATED "Creat : Sofer Tech" at 2512,24 h25 r270; LIB_UNEVALUATED "Date  : 2007-05-10" at 2472,24 h25 r270; LIB_UNEVALUATED "Rev   : B1" at 2432,24 h25 r270; ASSEMBLY_TOP "LED red" at 2371,120 h20 r270
LD10: LIB_UNEVALUATED "1" at 2406.4,90 h16 r270; LIB_UNEVALUATED "2" at 2406.4,150 h16 r270; LIB_UNEVALUATED "d0603" at 2395,120 h30 r270; LIB_UNEVALUATED "Approved" at 2512,120 h35 r270; LIB_UNEVALUATED "Sofer Lib Information" at 2677,-6 h25 r270; LIB_UNEVALUATED "Ref PN: ***" at 2627,24 h25 r270; LIB_UNEVALUATED "Creat : Sofer Tech" at 2587,24 h25 r270; LIB_UNEVALUATED "Date  : 2007-05-10" at 2547,24 h25 r270; LIB_UNEVALUATED "Rev   : B1" at 2507,24 h25 r270
P1: LIB_UNEVALUATED "17" at 2891.57,2933.07 h16 r90; LIB_UNEVALUATED "20" at 2891.57,3169.29 h16 r90; LIB_UNEVALUATED "18" at 2891.57,3011.81 h16 r90; LIB_UNEVALUATED "19" at 2891.57,3090.55 h16 r90; LIB_UNEVALUATED "8" at 2819.23,3011.81 h16 r90; LIB_UNEVALUATED "9" at 2819.23,3090.55 h16 r90; LIB_UNEVALUATED "12" at 2891.57,2539.37 h16 r90; LIB_UNEVALUATED "11" at 2891.57,2460.63 h16 r90; LIB_UNEVALUATED "13" at 2891.57,2618.11 h16 r90; LIB_UNEVALUATED "7" at 2819.23,2933.07 h16 r90; LIB_UNEVALUATED "10" at 2812.83,3169.29 h16 r90; LIB_UNEVALUATED "14" at 2891.57,2696.85 h16 r90; LIB_UNEVALUATED "15" at 2891.57,2775.59 h16 r90; LIB_UNEVALUATED "6" at 2819.23,2854.33 h16 r90; LIB_UNEVALUATED "1" at 2819.23,2460.63 h16 r90; LIB_UNEVALUATED "4" at 2819.23,2696.85 h16 r90; LIB_UNEVALUATED "2" at 2819.23,2539.37 h16 r90; LIB_UNEVALUATED "3" at 2819.23,2618.11 h16 r90; LIB_UNEVALUATED "16" at 2891.57,2854.33 h16 r90; LIB_UNEVALUATED "5" at 2819.23,2775.59 h16 r90; LIB_UNEVALUATED "Sofer Lib Information" at 2393.63,3003.4 h25 r90; LIB_UNEVALUATED "Ref PN: SQT-110-F-D-RA" at 2443.63,2973.4 h25 r90; LIB_UNEVALUATED "Creat : Yuki" at 2483.63,2973.4 h25 r90; LIB_UNEVALUATED "Date  : 2016-03-29" at 2523.63,2973.4 h25 r90; LIB_UNEVALUATED "Rev   : A1" at 2563.63,2973.4 h25 r90; LIB_UNEVALUATED "Remark: D031-021A1" at 2603.63,2973.4 h25 r90; LIB_UNEVALUATED "NO" at 2837,2814.96 h35 r90; LIB_UNEVALUATED "2" at 2718.63,2818.4 h16 r90; LIB_UNEVALUATED "18" at 2673.63,2829.4 h16 r90; LIB_UNEVALUATED "2" at 2873.63,2298.4 h16 r90; LIB_UNEVALUATED "1.27" at 2943.63,2316.4 h16 r90; LIB_UNEVALUATED "6.35" at 3073.63,2316.4 h16 r90; LIB_UNEVALUATED "20.3" at 3238,2828.96 h16 r90; Bottom Overlay "1" at 2835,2380.08 h25; Bottom Overlay "11" at 2920,2380.08 h25; Bottom Overlay "20" at 2940,3230.08 h25; Bottom Overlay "10" at 2865,3230.08 h25
P2: LIB_UNEVALUATED "8" at 2802.93,470.63 h16 r90; LIB_UNEVALUATED "7" at 2807.93,370.63 h16 r90; LIB_UNEVALUATED "10" at 2796.53,670.63 h16 r90; LIB_UNEVALUATED "9" at 2802.93,570.63 h16 r90; LIB_UNEVALUATED "12" at 2796.53,870.63 h16 r90; LIB_UNEVALUATED "6" at 2702.93,870.63 h16 r90; LIB_UNEVALUATED "1" at 2702.93,370.63 h16 r90; LIB_UNEVALUATED "4" at 2702.93,670.63 h16 r90; LIB_UNEVALUATED "2" at 2702.93,470.63 h16 r90; LIB_UNEVALUATED "3" at 2702.93,570.63 h16 r90; LIB_UNEVALUATED "5" at 2702.93,770.63 h16 r90; LIB_UNEVALUATED "11" at 2796.53,770.63 h16 r90; LIB_UNEVALUATED "Sofer Lib Information" at 2402.33,851.63 h25 r90; LIB_UNEVALUATED "Ref PN: SSW-106-02-F-D-RA" at 2452.33,821.63 h25 r90; LIB_UNEVALUATED "Creat : Yuki" at 2492.33,821.63 h25 r90; LIB_UNEVALUATED "Date  : 2016-04-05" at 2532.33,821.63 h25 r90; LIB_UNEVALUATED "Rev   : A1" at 2572.33,821.63 h25 r90; LIB_UNEVALUATED "Remark: D031-021A1" at 2612.33,821.63 h25 r90; LIB_UNEVALUATED "NO" at 3006.33,610.63 h35 r90; Bottom Overlay "6" at 2720,918.74 h25; Bottom Overlay "12" at 2830.67,924.37 h25; Bottom Overlay "7" at 2820,298.74 h25
R1: LIB_UNEVALUATED "1" at 1663.6,3685 h16 r270; LIB_UNEVALUATED "2" at 1663.6,3645 h16 r270; LIB_UNEVALUATED "Creat : Sofer Tech" at 1842,3771 h25 r270; LIB_UNEVALUATED "Sofer Lib Information" at 1932,3801 h25 r270; LIB_UNEVALUATED "Ref PN: ***" at 1882,3771 h25 r270; LIB_UNEVALUATED "Date  : 2007-11-24" at 1802,3771 h25 r270; LIB_UNEVALUATED "Rev   : A4" at 1762,3771 h25 r270; LIB_UNEVALUATED "Remark: ***" at 1722,3771 h25 r270; LIB_UNEVALUATED "R0402" at 1565,3665 h25 r270; LIB_UNEVALUATED "Approved" at 1548,3630 h35 r270; ASSEMBLY_TOP "47K_1%_0402" at 1572,3665 h20 r270
R2: LIB_UNEVALUATED "1" at 2350,3616.99 h16 r180; LIB_UNEVALUATED "2" at 2310,3616.99 h16 r180; LIB_UNEVALUATED "Creat : Sofer Tech" at 2436,3438.59 h25 r180; LIB_UNEVALUATED "Sofer Lib Information" at 2466,3348.59 h25 r180; LIB_UNEVALUATED "Ref PN: ***" at 2436,3398.59 h25 r180; LIB_UNEVALUATED "Date  : 2007-11-24" at 2436,3478.59 h25 r180; LIB_UNEVALUATED "Rev   : A4" at 2436,3518.59 h25 r180; LIB_UNEVALUATED "Remark: ***" at 2436,3558.59 h25 r180; LIB_UNEVALUATED "R0402" at 2330,3715.59 h25 r180; LIB_UNEVALUATED "Approved" at 2295,3732.59 h35 r180; ASSEMBLY_TOP "47K_1%_0402" at 2330,3708.59 h20 r180
R3: LIB_UNEVALUATED "1" at 1758.6,3305 h16 r270; LIB_UNEVALUATED "2" at 1758.6,3265 h16 r270; LIB_UNEVALUATED "Creat : Sofer Tech" at 1937,3391 h25 r270; LIB_UNEVALUATED "Sofer Lib Information" at 2027,3421 h25 r270; LIB_UNEVALUATED "Ref PN: ***" at 1977,3391 h25 r270; LIB_UNEVALUATED "Date  : 2007-11-24" at 1897,3391 h25 r270; LIB_UNEVALUATED "Rev   : A4" at 1857,3391 h25 r270; LIB_UNEVALUATED "Remark: ***" at 1817,3391 h25 r270; LIB_UNEVALUATED "R0402" at 1660,3285 h25 r270; LIB_UNEVALUATED "Approved" at 1643,3250 h35 r270; ASSEMBLY_TOP "47K_1%_0402" at 1667,3285 h20 r270
R4: LIB_UNEVALUATED "1" at 1816.4,3265 h16 r90; LIB_UNEVALUATED "2" at 1816.4,3305 h16 r90; LIB_UNEVALUATED "Creat : Sofer Tech" at 1638,3179 h25 r90; LIB_UNEVALUATED "Sofer Lib Information" at 1548,3149 h25 r90; LIB_UNEVALUATED "Ref PN: ***" at 1598,3179 h25 r90; LIB_UNEVALUATED "Date  : 2007-11-24" at 1678,3179 h25 r90; LIB_UNEVALUATED "Rev   : A4" at 1718,3179 h25 r90; LIB_UNEVALUATED "Remark: ***" at 1758,3179 h25 r90; LIB_UNEVALUATED "R0402" at 1915,3285 h25 r90; LIB_UNEVALUATED "Approved" at 1932,3320 h35 r90; ASSEMBLY_TOP "47K_1%_0402" at 1908,3285 h20 r90
R5: LIB_UNEVALUATED "1" at 1856.4,3265 h16 r90; LIB_UNEVALUATED "2" at 1856.4,3305 h16 r90; LIB_UNEVALUATED "Creat : Sofer Tech" at 1678,3179 h25 r90; LIB_UNEVALUATED "Sofer Lib Information" at 1588,3149 h25 r90; LIB_UNEVALUATED "Ref PN: ***" at 1638,3179 h25 r90; LIB_UNEVALUATED "Date  : 2007-11-24" at 1718,3179 h25 r90; LIB_UNEVALUATED "Rev   : A4" at 1758,3179 h25 r90; LIB_UNEVALUATED "Remark: ***" at 1798,3179 h25 r90; LIB_UNEVALUATED "R0402" at 1955,3285 h25 r90; LIB_UNEVALUATED "Approved" at 1972,3320 h35 r90; ASSEMBLY_TOP "47K_1%_0402" at 1948,3285 h20 r90
R6: LIB_UNEVALUATED "1" at 1883.6,3305 h16 r270; LIB_UNEVALUATED "2" at 1883.6,3265 h16 r270; LIB_UNEVALUATED "Creat : Sofer Tech" at 2062,3391 h25 r270; LIB_UNEVALUATED "Sofer Lib Information" at 2152,3421 h25 r270; LIB_UNEVALUATED "Ref PN: ***" at 2102,3391 h25 r270; LIB_UNEVALUATED "Date  : 2007-11-24" at 2022,3391 h25 r270; LIB_UNEVALUATED "Rev   : A4" at 1982,3391 h25 r270; LIB_UNEVALUATED "Remark: ***" at 1942,3391 h25 r270; LIB_UNEVALUATED "R0402" at 1785,3285 h25 r270; LIB_UNEVALUATED "Approved" at 1768,3250 h35 r270; ASSEMBLY_TOP "47K_1%_0402" at 1792,3285 h20 r270
R7: LIB_UNEVALUATED "1" at 1923.6,3305 h16 r270; LIB_UNEVALUATED "2" at 1923.6,3265 h16 r270; LIB_UNEVALUATED "Creat : Sofer Tech" at 2102,3391 h25 r270; LIB_UNEVALUATED "Sofer Lib Information" at 2192,3421 h25 r270; LIB_UNEVALUATED "Ref PN: ***" at 2142,3391 h25 r270; LIB_UNEVALUATED "Date  : 2007-11-24" at 2062,3391 h25 r270; LIB_UNEVALUATED "Rev   : A4" at 2022,3391 h25 r270; LIB_UNEVALUATED "Remark: ***" at 1982,3391 h25 r270; LIB_UNEVALUATED "R0402" at 1825,3285 h25 r270; LIB_UNEVALUATED "Approved" at 1808,3250 h35 r270; ASSEMBLY_TOP "47K_1%_0402" at 1832,3285 h20 r270
R8: LIB_UNEVALUATED "1" at 1976.4,3265 h16 r90; LIB_UNEVALUATED "2" at 1976.4,3305 h16 r90; LIB_UNEVALUATED "Creat : Sofer Tech" at 1798,3179 h25 r90; LIB_UNEVALUATED "Sofer Lib Information" at 1708,3149 h25 r90; LIB_UNEVALUATED "Ref PN: ***" at 1758,3179 h25 r90; LIB_UNEVALUATED "Date  : 2007-11-24" at 1838,3179 h25 r90; LIB_UNEVALUATED "Rev   : A4" at 1878,3179 h25 r90; LIB_UNEVALUATED "Remark: ***" at 1918,3179 h25 r90; LIB_UNEVALUATED "R0402" at 2075,3285 h25 r90; LIB_UNEVALUATED "Approved" at 2092,3320 h35 r90; ASSEMBLY_TOP "47K_1%_0402" at 2068,3285 h20 r90
R9: LIB_UNEVALUATED "1" at 1986.4,3520.59 h16 r90; LIB_UNEVALUATED "2" at 1986.4,3560.59 h16 r90; LIB_UNEVALUATED "Creat : Sofer Tech" at 1808,3434.59 h25 r90; LIB_UNEVALUATED "Sofer Lib Information" at 1718,3404.59 h25 r90; LIB_UNEVALUATED "Ref PN: ***" at 1768,3434.59 h25 r90; LIB_UNEVALUATED "Date  : 2007-11-24" at 1848,3434.59 h25 r90; LIB_UNEVALUATED "Rev   : A4" at 1888,3434.59 h25 r90; LIB_UNEVALUATED "Remark: ***" at 1928,3434.59 h25 r90; LIB_UNEVALUATED "R0402" at 2085,3540.59 h25 r90; LIB_UNEVALUATED "Approved" at 2102,3575.59 h35 r90; ASSEMBLY_TOP "47K_1%_0402" at 2078,3540.59 h20 r90
R10: LIB_UNEVALUATED "1" at 2002.6,3368.6 h16; LIB_UNEVALUATED "2" at 2042.6,3368.6 h16; LIB_UNEVALUATED "Creat : Sofer Tech" at 1916.6,3547 h25; LIB_UNEVALUATED "Sofer Lib Information" at 1886.6,3637 h25; LIB_UNEVALUATED "Ref PN: ***" at 1916.6,3587 h25; LIB_UNEVALUATED "Date  : 2007-11-24" at 1916.6,3507 h25; LIB_UNEVALUATED "Rev   : A4" at 1916.6,3467 h25; LIB_UNEVALUATED "Remark: ***" at 1916.6,3427 h25; LIB_UNEVALUATED "R0402" at 2022.6,3270 h25; LIB_UNEVALUATED "Approved" at 2057.6,3253 h35; ASSEMBLY_TOP "47K_1%_0402" at 2022.6,3277 h20
R11: LIB_UNEVALUATED "1" at 2041.4,3265 h16 r90; LIB_UNEVALUATED "2" at 2041.4,3305 h16 r90; LIB_UNEVALUATED "Creat : Sofer Tech" at 1863,3179 h25 r90; LIB_UNEVALUATED "Sofer Lib Information" at 1773,3149 h25 r90; LIB_UNEVALUATED "Ref PN: ***" at 1823,3179 h25 r90; LIB_UNEVALUATED "Date  : 2007-11-24" at 1903,3179 h25 r90; LIB_UNEVALUATED "Rev   : A4" at 1943,3179 h25 r90; LIB_UNEVALUATED "Remark: ***" at 1983,3179 h25 r90; LIB_UNEVALUATED "R0402" at 2140,3285 h25 r90; LIB_UNEVALUATED "Approved" at 2157,3320 h35 r90; ASSEMBLY_TOP "47K_1%_0402" at 2133,3285 h20 r90
R12: LIB_UNEVALUATED "1" at 220,1861.4 h16 r180; LIB_UNEVALUATED "2" at 260,1861.4 h16 r180; LIB_UNEVALUATED "Creat : Sofer Tech" at 134,1683 h25 r180; LIB_UNEVALUATED "Sofer Lib Information" at 104,1593 h25 r180; LIB_UNEVALUATED "Ref PN: ***" at 134,1643 h25 r180; LIB_UNEVALUATED "Date  : 2007-11-24" at 134,1723 h25 r180; LIB_UNEVALUATED "Rev   : A4" at 134,1763 h25 r180; LIB_UNEVALUATED "Remark: ***" at 134,1803 h25 r180; LIB_UNEVALUATED "R0402" at 240,1960 h25 r180; LIB_UNEVALUATED "Approved" at 275,1977 h35 r180; ASSEMBLY_TOP "47K_1%_0402" at 240,1953 h20 r180
R13: LIB_UNEVALUATED "1" at 1446.4,3500 h16 r90; LIB_UNEVALUATED "2" at 1446.4,3540 h16 r90; LIB_UNEVALUATED "Creat : Sofer Tech" at 1268,3414 h25 r90; LIB_UNEVALUATED "Sofer Lib Information" at 1178,3384 h25 r90; LIB_UNEVALUATED "Ref PN: ***" at 1228,3414 h25 r90; LIB_UNEVALUATED "Date  : 2007-11-24" at 1308,3414 h25 r90; LIB_UNEVALUATED "Rev   : A4" at 1348,3414 h25 r90; LIB_UNEVALUATED "Remark: ***" at 1388,3414 h25 r90; LIB_UNEVALUATED "R0402" at 1545,3520 h25 r90; LIB_UNEVALUATED "Approved" at 1562,3555 h35 r90; ASSEMBLY_TOP "47K_1%_0402" at 1538,3520 h20 r90
R14: LIB_UNEVALUATED "1" at 1506.4,3500 h16 r90; LIB_UNEVALUATED "2" at 1506.4,3540 h16 r90; LIB_UNEVALUATED "Creat : Sofer Tech" at 1328,3414 h25 r90; LIB_UNEVALUATED "Sofer Lib Information" at 1238,3384 h25 r90; LIB_UNEVALUATED "Ref PN: ***" at 1288,3414 h25 r90; LIB_UNEVALUATED "Date  : 2007-11-24" at 1368,3414 h25 r90; LIB_UNEVALUATED "Rev   : A4" at 1408,3414 h25 r90; LIB_UNEVALUATED "Remark: ***" at 1448,3414 h25 r90; LIB_UNEVALUATED "R0402" at 1605,3520 h25 r90; LIB_UNEVALUATED "Approved" at 1622,3555 h35 r90; ASSEMBLY_TOP "47K_1%_0402" at 1598,3520 h20 r90
R15: LIB_UNEVALUATED "1" at 2420,3216.4 h16 r180; LIB_UNEVALUATED "2" at 2380,3216.4 h16 r180; LIB_UNEVALUATED "Creat : Sofer Tech" at 2506,3038 h25 r180; LIB_UNEVALUATED "Sofer Lib Information" at 2536,2948 h25 r180; LIB_UNEVALUATED "Ref PN: ***" at 2506,2998 h25 r180; LIB_UNEVALUATED "Date  : 2007-11-24" at 2506,3078 h25 r180; LIB_UNEVALUATED "Rev   : A4" at 2506,3118 h25 r180; LIB_UNEVALUATED "Remark: ***" at 2506,3158 h25 r180; LIB_UNEVALUATED "R0402" at 2400,3315 h25 r180; LIB_UNEVALUATED "Approved" at 2365,3332 h35 r180; ASSEMBLY_TOP "47K_1%_0402" at 2400,3308 h20 r180
R16: LIB_UNEVALUATED "1" at 1455,518.6 h16; LIB_UNEVALUATED "2" at 1495,518.6 h16; LIB_UNEVALUATED "Creat : Sofer Tech" at 1369,697 h25; LIB_UNEVALUATED "Sofer Lib Information" at 1339,787 h25; LIB_UNEVALUATED "Ref PN: ***" at 1369,737 h25; LIB_UNEVALUATED "Date  : 2007-11-24" at 1369,657 h25; LIB_UNEVALUATED "Rev   : A4" at 1369,617 h25; LIB_UNEVALUATED "Remark: ***" at 1369,577 h25; LIB_UNEVALUATED "R0402" at 1475,420 h25; LIB_UNEVALUATED "Approved" at 1510,403 h35
R17: LIB_UNEVALUATED "1" at 1510,3163.6 h16; LIB_UNEVALUATED "2" at 1550,3163.6 h16; LIB_UNEVALUATED "Creat : Sofer Tech" at 1424,3342 h25; LIB_UNEVALUATED "Sofer Lib Information" at 1394,3432 h25; LIB_UNEVALUATED "Ref PN: ***" at 1424,3382 h25; LIB_UNEVALUATED "Date  : 2007-11-24" at 1424,3302 h25; LIB_UNEVALUATED "Rev   : A4" at 1424,3262 h25; LIB_UNEVALUATED "Remark: ***" at 1424,3222 h25; LIB_UNEVALUATED "R0402" at 1530,3065 h25; LIB_UNEVALUATED "Approved" at 1565,3048 h35; ASSEMBLY_TOP "47K_1%_0402" at 1530,3072 h20
R18: LIB_UNEVALUATED "1" at 926.84,3006.16 h16 r180; LIB_UNEVALUATED "2" at 966.84,3006.16 h16 r180; LIB_UNEVALUATED "Creat : Sofer Tech" at 840.84,2827.76 h25 r180; LIB_UNEVALUATED "Sofer Lib Information" at 810.84,2737.76 h25 r180; LIB_UNEVALUATED "Ref PN: ***" at 840.84,2787.76 h25 r180; LIB_UNEVALUATED "Date  : 2007-11-24" at 840.84,2867.76 h25 r180; LIB_UNEVALUATED "Rev   : A4" at 840.84,2907.76 h25 r180; LIB_UNEVALUATED "Remark: ***" at 840.84,2947.76 h25 r180; LIB_UNEVALUATED "R0402" at 946.84,3104.76 h25 r180; LIB_UNEVALUATED "Approved" at 981.84,3121.76 h35 r180; ASSEMBLY_TOP "47K_1%_0402" at 946.84,3097.76 h20 r180
R19: LIB_UNEVALUATED "1" at 1510,3123.6 h16; LIB_UNEVALUATED "2" at 1550,3123.6 h16; LIB_UNEVALUATED "Creat : Sofer Tech" at 1424,3302 h25; LIB_UNEVALUATED "Sofer Lib Information" at 1394,3392 h25; LIB_UNEVALUATED "Ref PN: ***" at 1424,3342 h25; LIB_UNEVALUATED "Date  : 2007-11-24" at 1424,3262 h25; LIB_UNEVALUATED "Rev   : A4" at 1424,3222 h25; LIB_UNEVALUATED "Remark: ***" at 1424,3182 h25; LIB_UNEVALUATED "R0402" at 1530,3025 h25; LIB_UNEVALUATED "Approved" at 1565,3008 h35; ASSEMBLY_TOP "47K_1%_0402" at 1530,3032 h20
R20: LIB_UNEVALUATED "1" at 2221.4,3055 h16 r90; LIB_UNEVALUATED "2" at 2221.4,3095 h16 r90; LIB_UNEVALUATED "Creat : Sofer Tech" at 2043,2969 h25 r90; LIB_UNEVALUATED "Sofer Lib Information" at 1953,2939 h25 r90; LIB_UNEVALUATED "Ref PN: ***" at 2003,2969 h25 r90; LIB_UNEVALUATED "Date  : 2007-11-24" at 2083,2969 h25 r90; LIB_UNEVALUATED "Rev   : A4" at 2123,2969 h25 r90; LIB_UNEVALUATED "Remark: ***" at 2163,2969 h25 r90; LIB_UNEVALUATED "R0402" at 2320,3075 h25 r90; LIB_UNEVALUATED "Approved" at 2337,3110 h35 r90; ASSEMBLY_TOP "47K_1%_0402" at 2313,3075 h20 r90